# KiCad board RicardoCHEESE.kicad_pcb
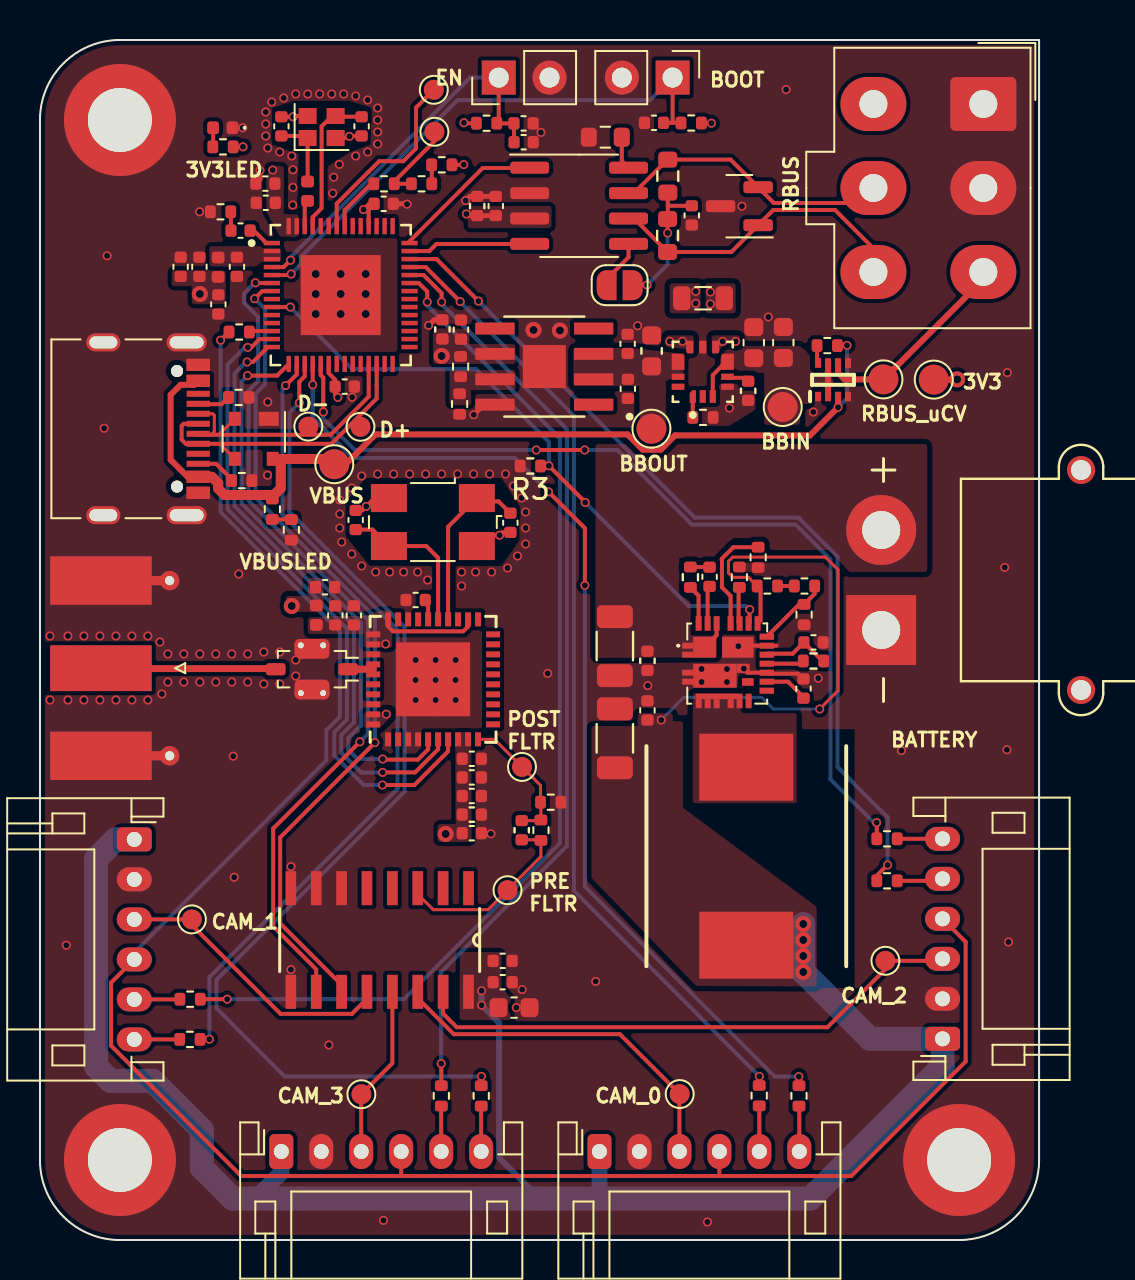
[diagram p0: board, top side]
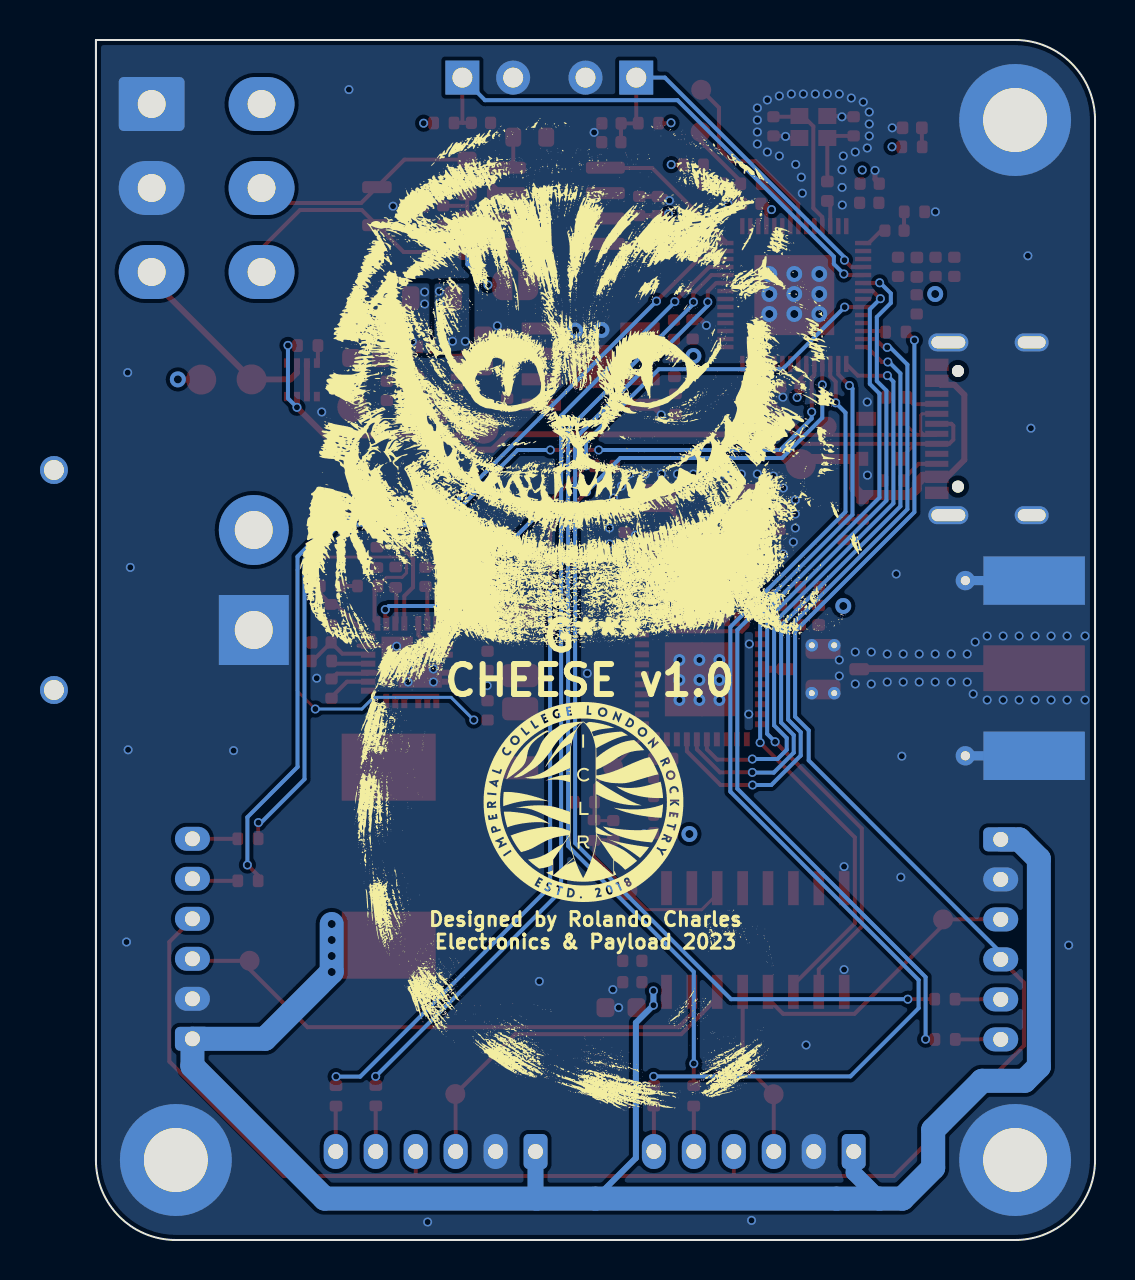
[diagram p1: board, bottom side, seen from below]

Outline 50 x 60 mm; copper layers: Top, In1.Cu (plane), In2.Cu (plane), Bottom. Coordinates in mm from the lower left corner of the outline.
Outline path: 0,56 arc(1.17,58.83) 4,60 50,60 50,4 arc(48.83,1.17) 46,0 4,0 arc(1.17,1.17) 0,4 0,56
Stack: Top 0.035mm / dielectric 0.2104mm FR4 er 4.5 / In1.Cu 0.0152mm / dielectric 1.065mm FR4 er 4.5 / In2.Cu 0.0152mm / dielectric 0.2104mm FR4 er 4.5 / Bottom 0.035mm

## Placement (name value [footprint] x y rotation side)
3V3LED1  BLUE_LED  [LED_0402_1005Metric]  9.15 55.61 180 top
BOOTJUMPER1  Conn_01x02_Male  [PinHeader_1x02_P2.54mm_Vertical]  31.66 58.12 270 top
C1  4.2pF  [C_0402_1005Metric]  10.04 50.47 0 top
C2  C  [C_0402_1005Metric]  16.09 55.68 270 top
C3  1uF  [C_0402_1005Metric]  11.28 52.82 180 top
C4  10nF  [C_0402_1005Metric]  11.3 51.86 180 top
C5  10uF  [C_0402_1005Metric]  7.04 48.66 90 top
C6  1uF  [C_0402_1005Metric]  7.98 48.66 90 top
C7  0.1uF  [C_0402_1005Metric]  8.93 46.78 270 top
C8  0.1uF  [C_0402_1005Metric]  9.86 48.66 90 top
C9  C  [C_0402_1005Metric]  12.08 55.68 90 top
C10  0.1uF  [C_0402_1005Metric]  15.25 42.67 0 top
C11  0.1uF  [C_0402_1005Metric]  17.2 51.81 0 top
C12  0.1uF  [C_0402_1005Metric]  24.2 55.83 0 top
C13  0.1uF  [C_0402_1005Metric]  30.73 55.86 0 top
C14  1uF  [C_0402_1005Metric]  24.21 54.89 180 top
C15  100nF  [C_0402_1005Metric]  22.81 51.7 90 top
C16  10uF  [C_0402_1005Metric]  21.88 51.7 90 top
C18  47nF  [C_0402_1005Metric]  32.62 51.23 270 top
C20  10uF  [C_0603_1608Metric]  37.2 44.88 90 top
C21  10uF  [C_0603_1608Metric]  35.72 44.87 90 top
C22  22uF  [C_0603_1608Metric]  30.61 44.46 90 top
C23  10uF  [C_0402_1005Metric]  29.42 42.56 270 top
C24  4.7uF  [C_0402_1005Metric]  29.41 44.81 90 top
C25  10uF  [C_0402_1005Metric]  20.14 45.53 270 top
C26  0.1uF  [C_0402_1005Metric]  21.07 45.52 270 top
C27  1uF  [C_0402_1005Metric]  35.44 42.46 270 top
C32  10n  [C_0402_1005Metric]  15.71 31.23 90 top
C33  1u  [C_0402_1005Metric]  14.78 31.23 90 top
C34  1u  [C_0402_1005Metric]  14.27 32.64 0 top
C35  1u  [C_0402_1005Metric]  18.8 32 180 top
C36  24p  [C_0402_1005Metric]  23.54 35.86 270 top
C37  10u  [C_0402_1005Metric]  21.61 21.27 0 top
C38  100n  [C_0402_1005Metric]  21.61 24.06 0 top
C39  100n  [C_0402_1005Metric]  21.61 23.13 0 top
C40  100n  [C_0402_1005Metric]  21.61 22.2 0 top
C41  100n  [C_0402_1005Metric]  21.61 20.34 0 top
C42  24p  [C_0402_1005Metric]  15.8 36 90 top
C43  10u  [C_0603_1608Metric]  23.72 11.62 0 top
C44  100n  [C_0402_1005Metric]  23.16 13.96 180 top
C45  100n  [C_0402_1005Metric]  23.16 12.89 180 top
C46  1u  [C_0402_1005Metric]  24.11 20.49 90 top
C48  47uF  [C_1206_3216Metric]  28.77 29.69 270 top
C49  100nF  [C_0402_1005Metric]  30.4 28.96 270 top
C52  47uF  [C_1206_3216Metric]  28.77 25.08 270 top
C53  100n  [C_0402_1005Metric]  33.51 33.16 90 top
C54  100n  [C_0402_1005Metric]  30.4 26.48 90 top
C55  2u2  [C_0402_1005Metric]  38.21 27.57 270 top
C56  1u  [C_0402_1005Metric]  38.71 29.88 180 top
D1  SM712_SOT23  [SOT-23]  35 51.69 180 top
D2  SP0503BAHT  [SOT-143]  10.7 40.06 270 top
ENJUMPER1  Conn_01x02_Male  [PinHeader_1x02_P2.54mm_Vertical]  22.96 58.12 90 top
FB1  120R  [L_0402_1005Metric]  13.83 31.24 90 top
FL1  BFCN-5200  [Filter_Mini-Circuits_FV1206-4]  13.61 28.54 180 top
G***  LOGO  [iclr_logo_estd2018_10mm]  25.6 21.9 180 bottom
G***#2  LOGO  [cheshire]  25.1 30.2 180 bottom
H1  MountingHole_Pad  [MountingHole_3.2mm_M3_DIN965_Pad]  4 56 0 top
H3  MountingHole_Pad  [MountingHole_3.2mm_M3_DIN965_Pad]  4 4 0 top
H4  MountingHole_Pad  [MountingHole_3.2mm_M3_DIN965_Pad]  46 4 0 top
IC1  SiC437BED-T1-GE3  [SiC437BEDT1GE3]  34.39 28.82 0 top
J1  RBUS  [Molex_Mini-Fit_Jr_5566-06A_2x03_P4.20mm_Vertical]  47.21 56.8 270 top
J2  USB_C_Receptacle_USB2.0  [USB_C_Receptacle_Palconn_UTC16-G]  5.41 40.56 270 top
J3  Conn_Coaxial  [SMA_Molex_73251-1153_EdgeMount_Horizontal]  4.77 28.59 0 top
J4  Conn_01x06_Pin  [JST_PH_S6B-PH-K_1x06_P2.00mm_Horizontal]  28 4.42 0 top
J5  Conn_01x06_Pin  [JST_PH_S6B-PH-K_1x06_P2.00mm_Horizontal]  4.72 20.03 270 top
J6  Conn_01x06_Pin  [JST_PH_S6B-PH-K_1x06_P2.00mm_Horizontal]  45.17 10.06 90 top
J7  Conn_01x06_Pin  [JST_PH_S6B-PH-K_1x06_P2.00mm_Horizontal]  12.08 4.42 0 top
J8  Conn_01x02_Male  [AMASS_XT30PW-M_1x02_P2.50mm_Horizontal]  42.1 30.5 270 top
JP1  TermJP  [SolderJumper-2_P1.3mm_Open_RoundedPad1.0x1.5mm]  29.01 47.74 0 top
L1  2.0nH  [L_0402_1005Metric]  8.92 48.64 90 top
L2  20nH  [L_0402_1005Metric]  13.39 52.44 90 top
L3  1uH  [L_0805_2012Metric]  33.19 47.09 180 top
L4  3.3uH  [INDPM110100X540N]  35.35 19.19 90 top
R1  470  [R_0402_1005Metric]  20.11 53.76 180 top
R2  470  [R_0402_1005Metric]  9.16 54.66 0 top
R3  10k  [R_0402_1005Metric]  24.54 38.7 180 top
R4  47.5  [R_0402_1005Metric]  9.04 51.41 0 top
R5  499  [R_0402_1005Metric]  17.22 52.81 180 top
R6  10K  [R_0402_1005Metric]  22.35 55.84 0 top
R7  10K  [R_0402_1005Metric]  32.59 55.85 180 top
R8  60  [R_0603_1608Metric]  31.42 53.19 270 top
R9  60  [R_0603_1608Metric]  31.41 50.22 270 top
R10  0  [R_0603_1608Metric]  28.29 55.14 180 top
R11  3000  [R_0402_1005Metric]  11.63 36.54 270 top
R12  5.1k  [R_0402_1005Metric]  9.94 42.13 0 top
R13  5.1k  [R_0402_1005Metric]  10.1 37.97 180 top
R14  10k  [R_0402_1005Metric]  39.4 44.72 180 top
R15  56k  [R_0402_1005Metric]  21.05 43.67 270 top
R16  10k  [R_0402_1005Metric]  21 41.8 270 top
R17  14k  [R_0402_1005Metric]  33.18 41.13 0 top
R18  10k  [R_0402_1005Metric]  25.56 21.89 180 top
R19  10k  [R_0402_1005Metric]  25.07 20.49 90 top
R20  51k  [R_0402_1005Metric]  35 33.14 90 top
R21  18k  [R_0402_1005Metric]  38.26 32.7 0 top
R22  56k  [R_0402_1005Metric]  36.4 32.7 0 top
R23  10k  [R_0402_1005Metric]  38.24 31.27 270 top
R24  2.2  [R_0402_1005Metric]  32.55 33.14 90 top
R25  100k  [R_0402_1005Metric]  35.94 34.13 90 top
R26  51k  [R_0402_1005Metric]  38.71 28.95 180 top
R27  1k  [R_0402_1005Metric]  9.97 45.4 0 top
R28  1k  [R_0402_1005Metric]  35.99 7.22 90 top
R29  1k  [R_0402_1005Metric]  37.98 7.21 90 top
R30  1k  [R_0402_1005Metric]  7.51 12.04 0 top
R31  1k  [R_0402_1005Metric]  7.5 10.03 0 top
R32  1k  [R_0402_1005Metric]  42.39 17.96 180 top
R33  1k  [R_0402_1005Metric]  42.39 20.06 180 top
R34  1k  [R_0402_1005Metric]  20.08 7.21 90 top
R35  1k  [R_0402_1005Metric]  22.08 7.21 90 top
TP1  TestPoint  [TestPoint_Pad_D1.0mm]  19.74 55.41 0 top
TP2  TestPoint  [TestPoint_Pad_D1.0mm]  19.71 57.51 0 top
TP3  TestPoint  [TestPoint_Pad_D1.0mm]  13.43 40.67 270 top
TP4  TestPoint  [TestPoint_Pad_D1.0mm]  16.04 40.66 270 top
TP6  TestPoint  [TestPoint_Pad_D1.5mm]  42.21 43.03 270 top
TP7  TestPoint  [TestPoint_Pad_D1.5mm]  44.73 43.02 180 top
TP8  TestPoint  [TestPoint_Pad_D1.5mm]  14.73 38.79 270 top
TP9  TestPoint  [TestPoint_Pad_D1.5mm]  30.6 40.57 270 top
TP10  TestPoint  [TestPoint_Pad_D1.5mm]  37.17 41.65 270 top
TP11  TestPoint  [TestPoint_Pad_D1.0mm]  32.01 7.3 0 top
TP12  TestPoint  [TestPoint_Pad_D1.0mm]  7.6 16.03 0 top
TP13  TestPoint  [TestPoint_Pad_D1.0mm]  42.31 13.96 0 top
TP14  TestPoint  [TestPoint_Pad_D1.0mm]  16.08 7.29 0 top
TP16  TestPoint  [TestPoint_Pad_D1.0mm]  24.12 23.65 0 top
TP17  TestPoint  [TestPoint_Pad_D1.0mm]  23.4 17.49 0 top
TXLED1  GREEN_LED  [R_0402_1005Metric]  19.1 52.81 0 top
U1  ESP32-S3  [QFN40P700X700X90-57N]  15.05 47.25 0 top
U2  SN65HVD230  [SOIC-8_3.9x4.9mm_P1.27mm]  26.98 51.71 0 top
U3  LM66200DRLR  [SOTFL50P160X60-8N]  39.69 43.01 90 top
U4  SC4215  [SOIC127P599X175-9N]  25.24 43.67 180 top
U5  MAX77827AEFD+T  [CONV_MAX77827AEFD+T]  33.17 43.41 90 top
U7  -  [RTC6705]  19.67 28.03 90 top
U8  HEF4051BT  [SOIC127P600X175-16N]  17 15 270 top
USBLED1  USB_LED  [R_0402_1005Metric]  12.58 35.51 90 top
Y1  40MHz±10ppm  [Crystal_SMD_2016-4Pin_2.0x1.6mm]  14.09 55.65 0 top
Y2  8MHz  [Crystal_SMD_0603-4Pin_6.0x3.5mm]  19.66 35.9 180 top

## Library data of the parts
3V3LED1 TXLED1 USBLED1 = -: Description: Light emitting diode, small symbol
BOOTJUMPER1 ENJUMPER1 J8 = -: Description: Generic connector, single row, 01x02, script generated (kicad-library-utils/schlib/autogen/connector/)
C1-C16 C20-C27 = -: Description: Unpolarized capacitor, small symbol
C18 C32-C46 C48 C49 C52-C56 = -: Description: Unpolarized capacitor
D1 = -: Description: 7V/12V, 600W Asymmetrical TVS Diode Array, SOT-23
D2 = -: Description: TVS Diode Array, 5.5V Standoff, 3 Channels, SOT-143 package
FB1 = -: Description: Ferrite bead
FL1 = -: Description: 4250-6300MHz 50 Ohm Passive Band Pass Filter, FV1206-4
H1 H3 H4 = -: Description: Mounting Hole with connection
IC1 = -: Description: Switching Voltage Regulators 3-28V 12A 50uA microBUCK MLP44-24; Arrow Part Number: SIC437BED-T1-GE3; Arrow Price/Stock: https://www.arrow.com/en/products/sic437bed-t1-ge3/vishay; Height: 0.8; Manufacturer_Name: Vishay; Mouser Part Number: 78-SIC437BED-T1-GE3; Mouser Price/Stock: https://www.mouser.co.uk/ProductDetail/Vishay-Siliconix/SiC437BED-T1-GE3?qs=chTDxNqvsyntp1SKlnHzGA%3D%3D
J1 = -: Description: Generic connector, single row, 01x06, script generated (kicad-library-utils/schlib/autogen/connector/)
J2 = -: Description: USB 2.0-only Type-C Receptacle connector
J3 = -: Description: coaxial connector (BNC, SMA, SMB, SMC, Cinch/RCA, LEMO, ...)
J4-J7 = -: Description: Generic connector, single row, 01x06, script generated
JP1 = -: Description: Solder Jumper, 2-pole, open
L1-L4 = -: Description: Inductor
R1-R7 R10-R17 = -: Description: Resistor, small symbol
R8 R9 R18-R35 = -: Description: Resistor
TP1-TP4 TP6-TP14 TP16 TP17 = -: Description: test point
U1 = -: Description: ESP32-S3 is a low-power MCU-based system-on-chip (SoC) that supports 2.4 GHz Wi-Fi and Bluetooth® Low Energy (Bluetooth LE). It consists of high-performance dual-core microprocessor (Xtensa® 32-bit LX7), a low power coprocessor, a Wi-Fi baseband, a Bluetooth LE baseband, RF module, and peripherals.
U2 = -: Description: CAN Bus Transceivers, 3.3V, 1Mbps, Low-Power capabilities, SOIC-8
U3 = -: Description: 1.6-V to 5.5-V, 40-m, 2.5-A, low-IQ, dual ideal diode; Arrow Price/Stock: https://www.arrow.com/en/products/lm66200drlr/texas-instruments?region=nac; Height: 0.6; Manufacturer_Name: Texas Instruments; Mouser Part Number: 595-LM66200DRLR; Mouser Price/Stock: https://www.mouser.co.uk/ProductDetail/Texas-Instruments/LM66200DRLR?qs=Rp5uXu7WBW90hnpZAkIOdQ%3D%3D
U5 = -: MANUFACTURER: Maxim Integrated; MAXIMUM_PACKAGE_HEIGHT: 0.6mm; PARTREV: B; STANDARD: Manufacturer Recommended
U8 = -: -3db Bandwidth: 70MHz; Multiplexer/Demultiplexer Circuit: 8:1; On-State Resistance (Max): 155 Ohm; Voltage - Supply, Single (V+): 3 V ~{} 15 V; category: IC; digikey description: 1 Circuit IC Switch 8:1 155 Ohm 16-SO; digikey part number: 1727-2947-1-ND; lead free: yes; library id: 8eb752b855b5e3fc; manufacturer: Nexperia USA Inc.; mouser part number: 771-HEF4051BTD-T; package: SO16; rohs: yes; temperature range high: +125°C; temperature range low: -40°C
Y1 Y2 = -: Description: Four pin crystal, GND on pins 2 and 4

## Footprints (pads in the part's own frame, mm; a bottom-side part is the same pattern mirrored in y, then rotated)
AMASS_XT30PW-M_1x02_P2.50mm_Horizontal
  round 1.4 hole 1: (-8,10) (3,10)
  rect 3.5x3.5 hole 1.9: 1(0,0)
  round 3.5 hole 1.9: 2(-5,0)
C_0402_1005Metric
  rrect 0.56x0.62 smd: 1(-0.48,0) 2(0.48,0)
C_0603_1608Metric
  rrect 0.9x0.95 smd: 1(-0.775,0) 2(0.775,0)
C_1206_3216Metric
  rrect 1.15x1.8 smd: 1(-1.475,0) 2(1.475,0)
CONV_MAX77827AEFD+T
  custom 0.635x0.31 smd: 1(-1.3,0.5) 2(-1.3,0) 3(-1.3,-0.5)
  custom 0.31x0.635 smd: 4(-0.8,-1.2) 5(-0.3,-1.2) 13(-0.3,1.3) 14(-0.8,1.3)
  custom 0.81x0.635 smd: 6(0.3,-1.2) 11(0.5,1.3)
  custom 0.635x0.36 smd: 8(1.1,-0.6) 9(1.1,0) 10(1.1,0.7)
Crystal_SMD_0603-4Pin_6.0x3.5mm
  rect 1.8x1.4 smd: 1(-2.2,-1.2) 2(2.2,-1.2) 3(2.2,1.2) 4(-2.2,1.2)
Crystal_SMD_2016-4Pin_2.0x1.6mm
  rect 0.9x0.8 smd: 1(-0.7,-0.55) 2(0.7,-0.55) 3(0.7,0.55) 4(-0.7,0.55)
Filter_Mini-Circuits_FV1206-4
  rrect 0.99x0.61 smd: 1(-1.815,0) 3(1.815,0)
  round 0.63 hole 0.3: 2(-0.56,-1.195) 2(0.56,-1.195) 4(-0.56,1.195) 4(0.56,1.195)
  rrect 1.75x0.99 smd: 2(0,-1.015) 4(0,1.015)
INDPM110100X540N
  rect 3.35x4.7 smd: 1(-4.45,0) 2(4.45,0)
JST_PH_S6B-PH-K_1x06_P2.00mm_Horizontal
  rrect 1.2x1.75 hole 0.75: 1(0,0)
  oval 1.2x1.75 hole 0.75: 2(2,0) 3(4,0) 4(6,0) 5(8,0) 6(10,0)
L_0402_1005Metric
  rrect 0.59x0.64 smd: 1(-0.485,0) 2(0.485,0)
L_0805_2012Metric
  rrect 0.875x1.2 smd: 1(-1.062,0) 2(1.062,0)
LED_0402_1005Metric
  rrect 0.59x0.64 smd: 1(-0.485,0) 2(0.485,0)
Molex_Mini-Fit_Jr_5566-06A_2x03_P4.20mm_Vertical
  rrect 2.7x3.3 hole 1.4: 1(0,0)
  oval 2.7x3.3 hole 1.4: 2(4.2,0) 3(8.4,0) 4(0,-5.5) 5(4.2,-5.5) 6(8.4,-5.5)
MountingHole_3.2mm_M3_DIN965_Pad
  round 5.6 hole 3.2: 1(0,0)
PinHeader_1x02_P2.54mm_Vertical
  rect 1.7x1.7 hole 1: 1(0,0)
  oval 1.7x1.7 hole 1: 2(0,-2.54)
QFN40P700X700X90-57N
  rrect 0.81x0.22 smd: 1(-3.445,2.6) 2(-3.445,2.2) 3(-3.445,1.8) 4(-3.445,1.4) 5(-3.445,1) 6(-3.445,0.6) 7(-3.445,0.2) 8(-3.445,-0.2) 9(-3.445,-0.6) 10(-3.445,-1) 11(-3.445,-1.4) 12(-3.445,-1.8) 13(-3.445,-2.2) 14(-3.445,-2.6) 29(3.445,-2.6) 30(3.445,-2.2) 31(3.445,-1.8) 32(3.445,-1.4) 33(3.445,-1) 34(3.445,-0.6) 35(3.445,-0.2) 36(3.445,0.2) 37(3.445,0.6) 38(3.445,1) 39(3.445,1.4) 40(3.445,1.8) 41(3.445,2.2) 42(3.445,2.6)
  rrect 0.22x0.81 smd: 15(-2.6,-3.445) 16(-2.2,-3.445) 17(-1.8,-3.445) 18(-1.4,-3.445) 19(-1,-3.445) 20(-0.6,-3.445) 21(-0.2,-3.445) 22(0.2,-3.445) 23(0.6,-3.445) 24(1,-3.445) 25(1.4,-3.445) 26(1.8,-3.445) 27(2.2,-3.445) 28(2.6,-3.445) 43(2.6,3.445) 44(2.2,3.445) 45(1.8,3.445) 46(1.4,3.445) 47(1,3.445) 48(0.6,3.445) 49(0.2,3.445) 50(-0.2,3.445) 51(-0.6,3.445) 52(-1,3.445) 53(-1.4,3.445) 54(-1.8,3.445) 55(-2.2,3.445) 56(-2.6,3.445)
  rect 4x4 smd: 57(0,0)
R_0402_1005Metric
  rrect 0.54x0.64 smd: 1(-0.51,0) 2(0.51,0)
R_0603_1608Metric
  rrect 0.8x0.95 smd: 1(-0.825,0) 2(0.825,0)
RTC6705
  rect 0.7x0.3 smd: 1(-3,2.25) 2(-3,1.75) 3(-3,1.25) 4(-3,0.75) 5(-3,0.25) 6(-3,-0.25) 7(-3,-0.75) 8(-3,-1.25) 9(-3,-1.75) 10(-3,-2.25) 21(3,-2.25) 22(3,-1.75) 23(3,-1.25) 24(3,-0.75) 25(3,-0.25) 26(3,0.25) 27(3,0.75) 28(3,1.25) 29(3,1.75) 30(3,2.25)
  rect 0.3x0.7 smd: 11(-2.25,-3) 12(-1.75,-3) 13(-1.25,-3) 14(-0.75,-3) 15(-0.25,-3) 16(0.25,-3) 17(0.75,-3) 18(1.25,-3) 19(1.75,-3) 20(2.25,-3) 31(2.25,3) 32(1.75,3) 33(1.25,3) 34(0.75,3) 35(0.25,3) 36(-0.25,3) 37(-0.75,3) 38(-1.25,3) 39(-1.75,3) 40(-2.25,3)
  rect 1.9x1.9 smd: 41(-0.9,0.9) 41(-0.9,-0.9) 41(0.9,0.9) 41(0.9,-0.9)
SiC437BEDT1GE3
  rect 0.55x0.3 smd: 1(-1.981,0.894) 2(-1.981,0.444) 3(-1.981,-0.456) 4(-1.981,-0.906)
  rect 0.3x0.45 smd: 5(-1.431,-2.006) 6(-0.981,-2.006) 7(-0.531,-2.006) 8(0.169,-2.006) 9(0.619,-2.006)
  rect 0.3x0.725 smd: 10(1.069,-1.869) 18(1.519,2.006) 19(1.069,2.006) 20(0.619,2.006) 21(0.169,2.006) 22(-0.531,2.006) 23(-0.981,2.006) 24(-1.431,2.006)
  rect 0.725x0.3 smd: 11(1.981,-1.356) 12(1.981,-0.906) 13(1.981,-0.456) 14(1.981,-0.006) 15(1.981,0.444) 16(1.981,0.894) 17(1.981,1.344)
  rect 1.575x1.05 smd: 25(0.531,0.819)
  rect 1.15x1.05 smd: 26(-1.131,0.819)
  rect 2.175x1.2 smd: 27(-0.619,-0.606)
  rect 0.58x0.38 smd: 28(1.029,-0.921)
  rect 0.65x0.455 smd: 29(0.794,-0.234)
  rect 2.35x0.275 smd: 30(-0.406,-1.644)
SMA_Molex_73251-1153_EdgeMount_Horizontal
  rect 5.08x2.29 smd: 1(-1.72,0)
  rect 5.08x2.42 smd: 2(-1.72,4.38) 2(-1.72,-4.38)
  rect 5.08x2.42 smd far side: 2(-1.72,4.38) 2(-1.72,-4.38)
  rect 0.95x0.46 smd: 2(1.27,4.38) 2(1.27,-4.38)
  rect 0.95x0.46 smd far side: 2(1.27,4.38) 2(1.27,-4.38)
  round 0.97 hole 0.46: 2(1.72,4.38) 2(1.72,-4.38)
SOIC127P599X175-9N
  rrect 1.97x0.6 smd: 1(-2.47,1.905) 2(-2.47,0.635) 3(-2.47,-0.635) 4(-2.47,-1.905) 5(2.47,-1.905) 6(2.47,-0.635) 7(2.47,0.635) 8(2.47,1.905)
  rect 2.15x2.15 smd: 9(0,0)
SOIC127P600X175-16N
  rect 1.702x0.533 smd: 1(-2.591,4.445) 2(-2.591,3.175) 3(-2.591,1.905) 4(-2.591,0.635) 5(-2.591,-0.635) 6(-2.591,-1.905) 7(-2.591,-3.175) 8(-2.591,-4.445) 9(2.591,-4.445) 10(2.591,-3.175) 11(2.591,-1.905) 12(2.591,-0.635) 13(2.591,0.635) 14(2.591,1.905) 15(2.591,3.175) 16(2.591,4.445)
SOIC-8_3.9x4.9mm_P1.27mm
  rrect 1.95x0.6 smd: 1(-2.475,1.905) 2(-2.475,0.635) 3(-2.475,-0.635) 4(-2.475,-1.905) 5(2.475,-1.905) 6(2.475,-0.635) 7(2.475,0.635) 8(2.475,1.905)
SolderJumper-2_P1.3mm_Open_RoundedPad1.0x1.5mm
  custom 1x1.5 smd: 1(-0.65,0) 2(0.65,0)
SOT-23
  rrect 1.475x0.6 smd: 1(-0.938,0.95) 2(-0.938,-0.95) 3(0.938,0)
SOT-143
  rect 0.7x1 smd: 1(-1,0.75)
  rect 0.7x0.6 smd: 2(-1,-0.95) 3(1,-0.95) 4(1,0.95)
SOTFL50P160X60-8N
  rect 0.475x0.3 smd: 1(-0.838,0.75) 2(-0.838,0.25) 3(-0.838,-0.25) 4(-0.838,-0.75) 5(0.838,-0.75) 6(0.838,-0.25) 7(0.838,0.25) 8(0.838,0.75)
TestPoint_Pad_D1.0mm
  round 1 smd: 1(0,0)
TestPoint_Pad_D1.5mm
  round 1.5 smd: 1(0,0)
USB_C_Receptacle_Palconn_UTC16-G
  round 0.6 hole 0.6 unplated: (-2.89,1.45) (2.89,1.45)
  rect 0.6x1.16 smd: A1(-3.2,2.51) A4(-2.4,2.51) A9(2.4,2.51) A12(3.2,2.51) B1(3.2,2.51) B4(2.4,2.51) B9(-2.4,2.51) B12(-3.2,2.51)
  rect 0.3x1.16 smd: A5(-1.25,2.51) A6(-0.25,2.51) A7(0.25,2.51) A8(1.25,2.51) B5(1.75,2.51) B6(0.75,2.51) B7(-0.75,2.51) B8(-1.75,2.51)
  oval 0.9x2 hole 0.6x1.7: S1(-4.32,1.93) S1(4.32,1.93)
  oval 0.9x1.7 hole 0.6x1.4: S1(-4.32,-2.24) S1(4.32,-2.24)

## Nets
5V_PWR: C43.1 C44.2 C45.2 C52.2 C54.1 IC1.18 J4.1 J5.1 J6.1 J7.1 L4.1 R22.1 U8.16
+3.3V: C3.1 C4.1 C5.1 C6.1 C7.1 C10.1 C11.1 C15.1 C16.1 C25.2 C26.2 C34.1 C37.1 C38.1 C39.1 C40.1 C41.1 FB1.2 L1.1 R1.1 R2.2 R6.1 R7.1 R15.1 TP7.1 U1.20 U1.46 U1.55 U1.56 U2.3 U4.6 U7.8 U7.9
+3.3VA: C32.1 C33.1 FB1.1 U7.22 U7.30 U7.31 U7.32 U7.39 U7.40
+12V: J1.4
GND: 3V3LED1.1 BOOTJUMPER1.2 C2.2 C3.2 C4.2 C5.2 C6.2 C7.2 C8.1 C9.2 C10.2 C11.2 C12.2 C13.1 C14.1 C15.2 C16.2 C18.2 C20.2 C21.2 C22.2 C23.2 C24.2 C25.1 C26.1 C27.2 C32.2 C33.2 C34.2 C35.2 C36.2 C37.2 C38.2 C39.2 C40.2 C41.2 C42.2 C43.2 C44.1 C45.1 C48.2 C49.2 C52.1 C54.2 C55.1 C56.1 D1.3 D2.1 ENJUMPER1.2 FL1.2 FL1.4 H1.1 H3.1 H4.1 IC1.3 IC1.4 IC1.13 IC1.16 IC1.25 IC1.27 IC1.29 J1.1 J1.2 J2.A1 J2.A12 J2.B1 J2.B12 J2.S1 J3.2 J4.2 J5.2 J6.2 J7.2 J8.1 R3.2 R4.1 R10.2 R12.2 R13.1 R16.2 R17.2 R18.1 R20.2 R23.2 R25.1 U1.57 U2.2 U3.1 U3.4 U3.5 U4.8 U4.9 U5.4 U5.9 U7.1 U7.3 U7.4 U7.28 U7.33 U7.38 U7.41 U8.6 U8.7 U8.8 U8.9 USBLED1.1 Y1.2 Y1.4 Y2.2 Y2.4
VBUS: D2.4 J2.A4 J2.A9 J2.B4 J2.B9 R11.1 R14.1 TP8.1 U3.3
/BOOT: BOOTJUMPER1.1 C13.2 R7.2 U1.5
/Camera System/CAMERA0: J4.3 TP11.1 U8.14
/Camera System/CAMERA1: J5.3 TP12.1 U8.12
/Camera System/CAMERA2: J6.3 TP13.1 U8.15
/Camera System/CAMERA3: J7.3 TP14.1 U8.13
/Camera System/VIDEO_IN: C46.2 R18.2 R19.2 TP16.1 U7.10
/CAN+: D1.2 J1.5 R8.1 U2.7
/CAN-: D1.1 J1.6 R9.2 U2.6
/CAN-BUS/Vref: JP1.1 U2.5
/CAN_RX: U1.41 U2.4
/CAN_TX: U1.42 U2.1
/CHIP_PU: C12.1 C14.2 ENJUMPER1.1 R6.2 U1.4
/Data+: D2.3 J2.A6 J2.B6 TP4.1 U1.26
/Data-: D2.2 J2.A7 J2.B7 TP3.1 U1.25
/Power/BBIN: C20.1 C21.1 TP10.1 U3.2 U3.7 U5.3 U5.6
/Power/BBOUT: C22.1 C23.1 C24.1 TP9.1 U4.2 U4.3 U5.11 U5.13
/Power/BIAS: C27.1 U5.5
/Power/FBIn: R15.2 R16.1 U4.7
/Power/LX1: L3.1 U5.8
/Power/LX2: L3.2 U5.10
/Power/SEL: R17.1 U5.1
/RXD: TP2.1 U1.50
/TXD: R5.1 TP1.1 TXLED1.1
CAMERA0_TRIG: R28.2 U1.39
CAMERA1_TRIG: R30.2 U1.37
CAMERA2_TRIG: R32.2 U1.40
CAMERA3_TRIG: R34.2 U1.38
CAMERA_PWR_DET: R27.2 U1.12
CS0: U1.15 U7.5
CS1: U1.14 U7.6
CS2: U1.13 U7.7
PHOTO0_TRIG: R29.2 U1.18
PHOTO1_TRIG: R31.2 U1.16
PHOTO2_TRIG: R33.2 U1.19
PHOTO3_TRIG: R35.2 U1.17
PWR_EN: IC1.19 R3.1 U1.9
PWR_GOOD: U1.10
RBUS_uC_V: J1.3 TP6.1 U3.6
SEL1: U1.7 U8.11
SEL2: U1.6 U8.10
Net-(3V3LED1-A): 3V3LED1.2 R2.1
Net-(C1-Pad1): C1.1 R4.2
Net-(C8-Pad2): C8.2 L1.2 U1.2 U1.3
Net-(C9-Pad1): C9.1 L2.2 Y1.1
Net-(C53-Pad2): C53.2 R24.2
Net-(FL1-IN): FL1.1 U7.34 U7.35
Net-(FL1-OUT): FL1.3 J3.1
Net-(IC1-_MODE_1): IC1.21 R25.2
Net-(IC1-BOOT): C53.1 IC1.23
Net-(IC1-FB): IC1.17 R21.2 R23.1
Net-(IC1-MODE_2): IC1.20 R20.1
Net-(IC1-P_GOOD): IC1.14 R26.2
Net-(IC1-PHASE): IC1.24 R24.1
Net-(IC1-SW_1): IC1.5 IC1.6 IC1.7 IC1.8 IC1.9 IC1.30 L4.2
Net-(IC1-V_DRV): C55.2 IC1.12
Net-(IC1-VDD): C56.2 IC1.15 R26.1
Net-(IC1-VIN_1): C48.1 C49.1 IC1.1 IC1.2 IC1.22 IC1.26 J8.2
Net-(J2-CC1): J2.A5 R12.1
Net-(J2-CC2): J2.B5 R13.2
Net-(J4-Pin_4): J4.4 J5.4 J6.4 J7.4 R27.1
Net-(J4-Pin_5): J4.5 R28.1
Net-(J4-Pin_6): J4.6 R29.1
Net-(J5-Pin_5): J5.5 R30.1
Net-(J5-Pin_6): J5.6 R31.1
Net-(J6-Pin_5): J6.5 R32.1
Net-(J6-Pin_6): J6.6 R33.1
Net-(J7-Pin_5): J7.5 R34.1
Net-(J7-Pin_6): J7.6 R35.1
Net-(JP1-B): C18.1 JP1.2 R8.2 R9.1
Net-(R21-Pad1): R21.1 R22.2
Net-(TXLED1-A): R1.2 TXLED1.2
Net-(U1-LNA_IN/RF): C1.2 U1.1
Net-(U1-U0TXD/PROG/GPIO43): R5.2 U1.49
Net-(U1-XTAL_N): C2.1 U1.53 Y1.3
Net-(U1-XTAL_P): L2.1 U1.54
Net-(U2-Rs): R10.1 U2.8
Net-(U3-ST): R14.2 U3.8
Net-(U7-REG1D8): C35.1 U7.26
Net-(U7-XTAL1): C36.1 U7.24 Y2.1
Net-(U7-XTAL2): C42.1 U7.25 Y2.3
Net-(U8-Z): C46.1 R19.1 TP17.1 U8.3
Net-(USBLED1-A): R11.2 USBLED1.2

Pads without a net: IC1 10 11 28; J2 A8 B8; U1 8 11 21 22 23 24 27 28 29 30 31 32 33 34 35 36 43 44 45 47 48 51 52; U4 1 4 5; U5 2 14; U7 2 11 12 13 14 15 16 17 18 19 20 21 23 27 29 36 37; U8 1 2 4 5

## Via types
v1: diameter 0.45, hole 0.3, Top to Bottom, 207 vias
v2: diameter 0.6, hole 0.3, Top to Bottom, 9 vias
v3: diameter 0.8, hole 0.4, Top to Bottom, 20 vias

## Routing (per net, layer and track width the routed paths; a pad name or vN(x,y) marks a point on that pad's centre or on a via; arc(x,y) is an arc through that point)
5V_PWR: length 116.7
  Top w0.15: v1(39.02,26.55) 39.94,27.47 39.94,33.51 39.31,34.14 34.67,34.14 34.46,33.93 34.46,33.36 34.68,33.13 35.46,33.13 R22.1
  Top w0.2: R22.1 36.06,32.53 36.06,30.97 IC1.18
  Bottom w0.15: v1(39.02,26.55) 36.69,26.55 36.11,27.13 32.22,27.13 v1(31.09,26)
  Bottom w0.3: 25.01,2.07 22.98,4.1 22.98,10.86 v1(22.1,11.74) v1(22.1,12.46)
  Bottom w0.8: J4.1 28,2.12 27.95,2.07 ; J7.1 12.08,3.37 10.78,2.07
  Bottom w1.2: J5.1 3.79,20.03 2.81,19.05 2.81,8.67 3.52,7.96 5.65,7.96 8.1,5.51 8.1,3.61 9.64,2.07 38.55,2.07 45.17,8.69 J6.1 41.54,10.06 v3(38.2,13.4) v3(38.2,15.8)
  vias: v3(38.2,15) v3(38.2,14.2)
+3.3V: length 9.3
  Top w0.2: R7.1 33.11,55.84 v1(33.6,55.84) ; v1(21.22,55.86) 21.24,55.84 R6.1 ; v1(14.91,42.13) 14.77,42.27 C10.1 14.77,43.02 14.45,43.34 U1.20 ; v1(21.21,53.77) 21.2,53.76 R1.1 ; C11.1 16.48,51.81 v1(16.19,51.52) 16.43,51.52 C11.1 ; C11.1 16.45,51.54 U1.46 ; v1(10.16,54.66) 10.16,54.66 R2.2
  Top w0.25: v1(21.34,51.3) 21.42,51.22 C15.1
  Top w0.3: TP7.1 45.89,43.02 v3(45.9,43.03)
  vias: v1(11.65,53.5) v3(8,47.3) v3(12.6,31.7) v3(20.1,44.2) v3(20.3,20.3)
+3.3VA: length 4.9
  Top w0.2: U7.30 17.42,30.68 17.67,30.43 21.18,30.43 21.42,30.67 U7.22
  vias: v1(17.3,29.8) v1(17.33,26.29)
GND: length 17.5
  Top w0.2: Y2.4 22.41,35.24 v1(23,35.24) 23.14,35.38 C36.2 ; C9.2 12.66,56.16 v1(12.67,56.16) 12.71,56.2 Y1.4 ; C2.2 15.51,55.2 v1(15.49,55.18) 15.41,55.1 Y1.2 ; 36.87,29.72 IC1.16 35,29.72 IC1.25 ; Y2.2 16.75,37.1 v1(16.33,36.68) 16.13,36.48 C42.2 ; 18.42,29.28 18.5,29.21 18.5,29 18.71,29 U7.41 ; C55.1 37.94,28.32 36.43,28.32 IC1.13 35.41,28.37 IC1.29
  Top w0.25: C25.1 19.73,46.01 v1(19.45,45.73) ; U4.8 22.22,41.77 v1(21.71,41.26) ; v1(11.01,53.48) 11.01,53.03 C3.2 ; C11.2 18.35,51.81 v1(18.37,51.79) ; v1(21.3,51.97) 21.51,52.18 C15.2
  vias: v1(0.5,30.2) v1(0.5,27) v1(1.32,14.74) v1(1.4,30.2) v1(1.4,27) v1(2.2,30.2) v1(2.2,27) v1(3,30.2) v1(3,27) v1(3.21,40.59) v1(3.36,49.21) v1(3.8,30.2) v1(3.8,27) v1(4.6,30.2) v1(4.6,27) v1(5.4,30.2) v1(5.4,27) v1(6,29.9) v1(6.1,27.3) v1(6.4,29.3) v1(6.4,27.9) v1(7.2,29.3) v1(7.2,27.9) v1(7.99,51.41) v1(8,29.3) v1(8,27.9) v1(8.8,29.3) v1(8.8,27.9) v1(9.6,29.3) v1(9.6,27.9) v1(9.67,24.19) v1(9.72,18.14) v1(9.95,33.3) v1(10.15,55.61) v1(10.4,29.3) v1(10.4,27.9) v1(11.2,29.4) v1(11.2,27.8) v1(11.3,56.4) v1(11.3,55.8) v1(11.3,55.2) v1(11.4,54.6) v1(11.4,41.9) v1(11.39,38.24) v1(11.6,56.9) v1(12,54.4) v1(12,29.4) v1(12,27.8) v1(12.2,57.1) v1(12.6,54.2) v1(12.56,18.67) v1(12.56,13.52) v1(12.66,53.51) v1(12.66,52.63) v1(12.65,51.75) v1(12.8,57.3) v1(12.8,29) v1(12.8,28.2) v1(13.4,57.3) v1(14,57.3) v1(14.46,9.75) v1(14.6,57.3) v1(14.7,53.14) v1(14.65,52.34) v1(14.98,53.78) v1(15,37) v1(15,36.3) v1(15,35.6) v1(15.1,34.9) v1(15.2,57.3) v1(15.62,42.14) v1(15.6,37.6) v1(15.6,34.3) v1(15.8,57.2) v1(15.8,54.2) v1(16.1,38.2) v1(16.1,33.7) v1(16.4,57) v1(16.4,54.4) v1(16.8,33.4) v1(16.9,56.6) v1(16.9,56) v1(16.9,55.4) v1(16.9,54.8) v1(16.9,38.3) v1(17.19,0.98) v1(17.5,33.4) v1(17.7,38.3) v1(18.2,33.4) v1(18.5,38.3) v1(18.9,33.4) v1(19.3,38.3) v1(19.4,33) v1(20.1,38.3) v1(20.9,38.3) v1(21.1,33.4) v1(21.1,32.7) v1(21.7,38.3) v1(21.8,33.4) v1(22.5,38.3) v1(22.6,33.4) v1(22.57,20.31) v1(23.3,38.3) v1(23.4,33.6) v1(23.7,37.7) v1(23.84,11.62) v1(23.9,34.2) v1(24.1,37.1) v1(24.13,12.52) v1(24.3,36.4) v1(24.3,35.6) v1(24.3,34.8) v1(25.07,55.38) v1(25.41,28.33) v1(27.81,12.93) v1(29.91,45.71) v1(30.42,27.72) v1(33.11,28.55) v1(33.11,27.9) v1(33.4,0.9) v1(34.38,28.55) v1(34.38,27.9) v1(34.5,41.6) v1(34.95,29.69) v1(35.13,51.69) v1(35.23,28.57) v1(36.45,46.15) v1(37.34,57.52) v1(38.7,41.4) v1(38.95,28.09) v1(43.11,24.47) v1(48.28,33.63) v1(48.41,43.37) v1(48.39,24.51) v1(48.47,14.9) v2(18.8,29) v2(18.8,28) v2(18.8,27) v2(19.8,29) v2(19.8,28) v2(19.8,27) v2(20.8,29) v2(20.8,28) v2(20.8,27) v3(13.8,48.3) v3(13.8,47.3) v3(13.8,46.3) v3(15.05,48.3) v3(15.05,47.3) v3(15.05,46.3) v3(16.3,48.3) v3(16.3,47.3) v3(16.3,46.3) v3(24.7,45.5) v3(26.02,45.47)
VBUS: length 47
  Top w0.2: R14.1 40.38,44.72 v1(40.39,44.73)
  Top w0.3: U3.3 v1(39.94,41.63) 38.54,40.23 31.78,40.23 31.07,39.52 30.17,39.52 29.4,40.28 16.79,40.28 15.3,38.79 TP8.1 ; J2.A9 7.39,38.16 6.54,39.01 6.54,42.26 7.04,42.76 7.72,42.76 J2.A4
  Top w0.5: J2.A9 8.6,38.16 8.92,37.84 8.92,37.56 9.23,37.25 11.71,37.25 12.05,37.59 12.05,39.05 14.47,39.05 TP8.1
  Bottom w0.2: v1(40.39,44.73) 40.39,42.08 v1(39.94,41.63)
/BOOT: length 27.5
  Top w0.2: R7.2 32.07,55.86 31.62,55.86 ; 31.62,55.86 31.66,55.9 BOOTJUMPER1.1 ; 31.62,55.86 C13.2 ; v1(12.57,48.3) 12.52,48.25 U1.5
  Bottom w0.2: BOOTJUMPER1.1 30.53,56.99 20.89,56.99 13.07,49.17 13.07,48.8 v1(12.57,48.3)
/Camera System/CAMERA0: length 18.3
  Top w0.2: J4.3 32,7.28 TP11.1 29.02,10.29 20.71,10.29 18.91,12.09 U8.14
/Camera System/CAMERA1: length 14.4
  Top w0.2: U8.12 16.37,12.06 15.61,11.31 12.04,11.31 7.6,15.74 TP12.1 J5.3
/Camera System/CAMERA2: length 28
  Top w0.2: J6.3 45.07,13.96 TP13.1 42.31,13.54 39.41,10.64 20.85,10.64 20.18,11.32 U8.15
/Camera System/CAMERA3: length 8.6
  Top w0.2: U8.13 17.63,8.84 TP14.1 16.08,7.28 J7.3
/Camera System/VIDEO_IN: length 6.8
  Top w0.15: C46.2 25.04,20.97 R19.2 25.07,21.87 R18.2 25.05,22.73 24.13,23.65 TP16.1 22.74,25.03 U7.10
/CAN+: length 14.2
  Top w0.2: 29.46,52.34 29.73,52.34 31.4,54.02 R8.1 34.56,54.02 35.94,52.64 D1.2 36.73,51.85 40.96,51.85 J1.5
/CAN-: length 15.8
  Top w0.2: J1.6 41.71,49.58 39.79,51.5 36.7,51.5 D1.1 34.6,49.4 R9.2 29.74,51.08 29.46,51.08
/CAN-BUS/Vref: length 2.5
  Top w0.2: 29.46,49.81 29.46,49.14 28.36,48.04 JP1.1
/CAN_RX: length 6.2
  Top w0.2: U1.41 19.49,49.45 19.84,49.8 24.5,49.8 U2.4
/CAN_TX: length 7.6
  Top w0.2: U1.42 18.5,49.94 22.16,53.6 24.49,53.6 U2.1
/CHIP_PU: length 19.5
  Top w0.2: v1(12.54,48.99) 12.2,48.65 U1.4 ; 23.72,54.89 23.72,55.83 C12.1 22.87,55.83 R6.2 22.96,55.94 ENJUMPER1.1
  Bottom w0.2: v1(12.54,48.99) 12.54,49.13 21.53,58.12 ENJUMPER1.1
/Data+: length 15.1
  Top w0.15: 9.03,39.81 9.03,39.78 D2.3
  Top w0.2: U1.26 16.85,42.74 16.85,42.07 14.59,39.81 J2.B6 7.3,39.81 7.09,40.02 7.09,40.71 7.19,40.81 J2.A6
/Data-: length 14
  Top w0.15: 8.56,40.26 8.72,40.42 8.72,41.23 8.65,41.31 J2.B7 ; 8.94,40.26 8.95,40.26 D2.2
  Top w0.2: U1.25 16.45,42.17 14.55,40.27 14.25,40.27 14.25,40.26 7.97,40.26 J2.A7
/Power/BBIN: length 3.7
  Top w0.2: U5.6 34.13,43.71 33.67,43.25 U5.3
  Top w0.3: U3.7 U3.2
/Power/BIAS: length 1.1
  Top w0.2: C27.1 35.27,43.11 U5.5
/Power/LX1:
  vias: v1(33.55,47.4) v1(33.55,46.8) v1(34.16,44.93) v1(34.81,44.93)
/Power/LX2:
  vias: v1(31.51,44.93) v1(32.16,44.94) v1(32.81,47.43) v1(32.81,46.83)
/Power/SEL: length 1
  Top w0.2: U5.1 R17.1
/RXD: length 9.5
  Top w0.2: U1.50 14.85,51.82 16.41,53.38 16.42,53.38 16.98,53.94 18.18,53.94 18.82,54.58 18.82,56.62 TP2.1
/TXD: length 4.3
  Top w0.2: TP1.1 19.74,54.94 17.73,52.93 R5.1 TXLED1.1
CAMERA0_TRIG: length 48.6
  Top w0.2: R28.2 35.99,8.17 v1(36,8.18) ; U1.39 19.3,48.65 v1(21.03,46.92)
  Bottom w0.2: v1(21.03,46.92) 21.03,46.9 26.72,41.21 26.72,17.46 v1(36,8.18)
CAMERA1_TRIG: length 52.6
  Top w0.2: U1.37 18.96,47.85 19.38,47.43 v1(19.38,46.9) ; v1(9.37,12.04) R30.2
  Bottom w0.2: v1(19.38,46.9) 19.38,46.72 26.02,40.08 26.02,19.84 18.22,12.04 v1(9.37,12.04)
CAMERA2_TRIG: length 45.1
  Top w0.2: R32.2 41.88,18.22 42.41,18.75 v1(42.42,18.75) ; v1(21.94,46.94) 19.84,49.05 U1.40
  Bottom w0.2: v1(21.94,46.94) 32.77,36.12 37.96,36.12 39.91,34.17 39.91,23.65 42.42,21.14 v1(42.42,18.75)
CAMERA3_TRIG: length 46.8
  Top w0.2: v1(20.08,8.82) 20.08,8.82 R34.2 ; U1.38 19.2,48.25 20.1,47.34 v1(20.1,46.9)
  Bottom w0.2: v1(20.1,46.9) 20.1,46.8 26.37,40.53 26.37,19.7 20.08,13.41 v1(20.08,8.82)
CAMERA_PWR_DET: length 1.1
  Top w0.2: U1.12 10.53,45.45 R27.2
CS0: length 28.8
  Top w0.2: U7.5 19.42,24.53 18.91,24.02 17.18,24.02 v1(17.15,24.05) ; U1.15 11.87,43.22 v1(10.39,43.22)
  Bottom w0.2: v1(10.39,43.22) 10.09,42.92 10.09,36.83 16.06,30.86 16.06,25.73 15.43,25.1 15.43,24.51 15.89,24.05 v1(17.15,24.05)
CS1: length 30.3
  Top w0.2: U1.14 11.41,44.65 10.66,43.9 v1(10.37,43.9) ; v1(17.15,23.38) 18.77,23.38 19.92,24.53 U7.6
  Bottom w0.2: v1(10.37,43.9) 10.31,43.9 9.74,43.33 9.74,36.69 15.71,30.72 15.71,25.87 15.08,25.24 15.08,24.37 16.08,23.37 17.14,23.37 v1(17.15,23.38)
CS2: length 32.6
  Top w0.2: v1(17.14,22.75) 18.74,22.75 20.42,24.43 U7.7 ; v1(10.4,44.63) 10.57,44.63 10.99,45.05 U1.13
  Bottom w0.2: v1(10.4,44.63) 10.25,44.63 9.39,43.77 9.39,36.54 15.36,30.57 15.36,26.02 14.73,25.39 14.73,24.22 16.2,22.75 v1(17.14,22.75)
PHOTO0_TRIG: length 51.6
  Top w0.2: v1(27.27,32.73) 27.27,35.59 v1(25.45,37.41) ; v1(13.65,42.76) U1.18 ; R29.2 37.98,8.17 v1(37.98,8.17)
  Bottom w0.2: v1(25.45,37.41) 23.76,39.1 15.66,39.1 13.65,41.11 v1(13.65,42.76) ; v1(27.27,32.73) 27.27,17.67 36.77,8.17 v1(37.98,8.17)
PHOTO1_TRIG: length 40.8
  Top w0.2: R31.2 8.47,10.03 v1(8.48,10.04) ; v1(12.29,42.72) 12.85,43.28 U1.16
  Bottom w0.2: v1(12.29,42.72) 12.14,42.57 12.14,36.27 17.9,30.51 17.9,22.56 8.48,13.14 v1(8.48,10.04)
PHOTO2_TRIG: length 46.1
  Top w0.2: v1(41.87,20.87) 41.88,20.86 R33.2 ; U1.19 14.05,43.24 14.18,43.12 v1(14.18,41.4) ; v1(27.26,39.5) v1(24.84,39.5)
  Bottom w0.2: v1(24.84,39.5) 15.75,39.5 14.18,41.07 v1(14.18,41.4) ; v1(27.26,39.5) 28.9,39.5 32.63,35.77 37.82,35.77 39.56,34.03 39.56,23.04 41.73,20.87 v1(41.87,20.87)
PHOTO3_TRIG: length 54
  Top w0.2: v1(12.98,41.86) 12.98,42.92 13.25,43.19 U1.17 ; v1(22.09,8.18) 22.08,8.17 R35.2
  Bottom w0.2: v1(12.98,41.86) 12.49,41.37 12.49,36.41 18.25,30.65 18.25,22.42 8.83,13 8.83,11.59 12.24,8.18 v1(22.09,8.18)
PWR_EN: length 32
  Top w0.2: v1(12.53,46.65) U1.9 ; R3.1 25.06,38.71 v1(25.47,38.71) 27.28,36.89 v1(27.28,36.88) ; IC1.19 35.51,30.88 35.51,31.51 v1(35.52,31.52)
  Bottom w0.2: v1(12.53,46.65) 15.64,43.54 21.83,43.54 25.47,39.9 v1(25.47,38.71) ; v1(35.52,31.52) 35.34,31.7 32.46,31.7 v1(27.28,36.88)
RBUS_uC_V: length 10.3
  Top w0.3: U3.6 39.94,43.36 40.27,43.03 TP6.1 47.21,48.03 J1.3
SEL1: length 41.8
  Top w0.2: U1.7 11.12,47.45 v1(10.74,47.06) ; U8.11 15.09,12.76 12.02,15.83 12.02,20.13 v1(16.76,24.87)
  Bottom w0.2: v1(10.74,47.06) 11.27,46.54 11.27,42.81 10.79,42.33 10.79,37.12 16.76,31.15 v1(16.76,24.87)
SEL2: length 42.3
  Top w0.2: v1(16.01,24.91) 11.67,20.57 11.67,15.69 13.82,13.53 U8.10 ; U1.6 10.79,47.85 v1(10.78,47.86)
  Bottom w0.2: v1(16.01,24.91) 16.41,25.31 16.41,31.01 10.44,36.98 10.44,42.47 10.92,42.95 10.92,46.15 10.22,46.85 10.22,47.33 10.75,47.86 v1(10.78,47.86)
Net-(3V3LED1-A): length 1
  Top w0.2: R2.1 8.67,54.67 3V3LED1.2
Net-(C1-Pad1): length 0.9
  Top w0.2: R4.2 9.56,51.4 C1.1
Net-(C9-Pad1): length 3.5
  Top w0.2: C9.1 13.29,55.2 Y1.1 L2.2
Net-(C53-Pad2): length 1
  Top w0.2: C53.2 33.5,33.65 R24.2
Net-(FL1-IN): length 1.3
  Top w0.349: FL1.1 16.68,28.54
Net-(FL1-OUT): length 8.8
  Top w0.349: J3.1 3.07,28.57 11.77,28.57 FL1.3
Net-(IC1-_MODE_1): length 5.5
  Top w0.2: R25.2 34.7,34.64 34.12,34.06 34.12,34 34.13,33.99 34.13,32.64 34.56,32.2 IC1.21
Net-(IC1-BOOT): length 1.9
  Top w0.2: C53.1 33.41,32.58 IC1.23
Net-(IC1-FB): length 3.7
  Top w0.2: R21.2 38.77,32.31 R23.1 37.99,31.78 IC1.17
Net-(IC1-MODE_2): length 1.8
  Top w0.2: R20.1 34.96,32.59 34.96,30.88 IC1.20
Net-(IC1-P_GOOD): length 1.9
  Top w0.2: R26.2 38.07,28.82 IC1.14
Net-(IC1-PHASE): length 2
  Top w0.2: IC1.24 32.96,30.83 32.96,32.22 R24.1
Net-(IC1-V_DRV): length 2.2
  Top w0.2: IC1.12 37.43,27.92 38.21,27.14 C55.2
Net-(IC1-VDD): length 3.5
  Top w0.2: IC1.15 36.43,29.32 37.67,29.32 C56.2 39.16,28.95 R26.1
Net-(IC1-VIN_1): length 1.4
  Top w0.2: IC1.22 33.86,30.24 IC1.26
Net-(J2-CC1): length 1.7
  Top w0.2: J2.A5 7.94,41.79 9.09,41.79 R12.1
Net-(J2-CC2): length 2.1
  Top w0.2: R13.2 9.59,38.04 8.82,38.81 J2.B5
Net-(J4-Pin_4): length 101
  Top w0.2: J7.4 18.08,3.2 18.08,3.2 ; 18.08,3.2 10.07,3.2 3.56,9.71 3.56,12.87 J5.4 ; 18.08,3.2 34.01,3.2 ; 34.01,3.2 40.6,3.2 46.32,8.92 46.32,14.91 J6.4 ; 34.01,3.2 34,3.21 J4.4 ; v1(9.04,44.99) 9.45,45.4 R27.1
  Bottom w0.2: J5.4 4.72,14.37 14.33,23.98 14.33,25.48 15.01,26.16 15.01,30.43 9.04,36.4 v1(9.04,44.99)
Net-(J4-Pin_5): length 2.3
  Top w0.2: R28.1 36,6.7 J4.5
Net-(J4-Pin_6): length 2.3
  Top w0.2: J4.6 38,6.68 R29.1
Net-(J5-Pin_5): length 2.3
  Top w0.2: R30.1 6.99,12.03 J5.5
Net-(J5-Pin_6): length 2.3
  Top w0.2: J5.6 R31.1
Net-(J6-Pin_5): length 2.3
  Top w0.2: J6.5 45.07,17.96 R32.1
Net-(J6-Pin_6): length 2.3
  Top w0.2: R33.1 J6.6
Net-(J7-Pin_5): length 2.3
  Top w0.2: J7.5 20.08,6.69 R34.1
Net-(J7-Pin_6): length 2.3
  Top w0.2: J7.6 22.08,6.69 R35.1
Net-(JP1-B): length 7
  Top w0.2: v1(30.38,47.75) 30.37,47.74 JP1.2 ; C18.1 31.42,51.71 ; 31.42,51.71 R8.2 ; 31.42,51.71 31.42,51.06 R9.1 v1(31.41,50.35)
  Bottom w0.2: v1(31.41,50.35) 31.41,48.78 v1(30.38,47.75)
Net-(R21-Pad1): length 0.8
  Top w0.2: R22.2 R21.1
Net-(TXLED1-A): length 1
  Top w0.2: R1.2 19.61,53.75 TXLED1.2
Net-(U1-LNA_IN/RF): length 1.3
  Top w0.2: C1.2 10.7,50.47 11.33,49.85 U1.1
Net-(U1-U0TXD/PROG/GPIO43): length 2.8
  Top w0.2: R5.2 16.57,52.81 15.25,51.49 U1.49
Net-(U1-XTAL_N): length 7.4
  Top w0.2: C2.1 14.83,56.16 Y1.3 14.61,56.2 14.09,55.68 14.09,51.59 13.65,51.15 U1.53
Net-(U1-XTAL_P): length 1.3
  Top w0.2: U1.54 13.25,51.81 L2.1
Net-(U2-Rs): length 1.7
  Top w0.2: 29.46,53.61 29.12,53.95 29.12,55.14
Net-(U3-ST): length 0.9
  Top w0.2: U3.8 38.89,43.9 R14.2
Net-(U7-REG1D8): length 1
  Top w0.2: U7.26 19.42,31.86 C35.1
Net-(U7-XTAL1): length 8.7
  Top w0.2: U7.24 20.42,35.66 Y2.1 22.03,36.93 22.95,36.93 C36.1
Net-(U7-XTAL2): length 7.8
  Top w0.2: U7.25 19.92,34.11 19.33,34.7 Y2.3 16.64,35.52 C42.1
Net-(U8-Z): length 9.7
  Top w0.15: U8.3 18.91,17.29 19.68,16.51 22.42,16.51 TP17.1 23.4,17.5 25.07,19.17 R19.1 25.04,20.01 C46.1
Net-(USBLED1-A): length 1
  Top w0.2: USBLED1.2 12.57,36.03 R11.2

## Copper pours and planes (outline as drawn; the poured copper is in the pictures)
5V_PWR on Top: 21.02,14.4 21,11 22.74,10.99 23.56,10.99 23.56,12.11 23.1,12.62 23.1,14.4
5V_PWR on Top: 27.6,25.7 29.9,25.7 29.9,26.34 32.18,26.34 32.18,21.61 38.87,16.66 38.88,12.68 32.84,12.7 27.6,18.1
+3.3V on Top: 21.6,19.9 21.58,25.39 20.78,25.39 20.8,20.8 19.9,20.8 19.9,19.9
+3.3V on Top: 23.79,43.8 23.79,44.8 21.49,44.8 21.49,45.6 19.67,45.6 19.67,43.8
+3.3V on Top: 14.2,33.1 14.2,31.4 12.3,31.4 12.3,32.2 13.4,32.2 13.4,33.1
+3.3V on Top: 11.32,53.69 11.33,51.41 12.01,50.17 12.94,50.15 12.94,51.29 12.2,51.3 12.21,53.7
+3.3V on Top: 21.41,51.69 25.6,51.7 25.6,50.6 21.41,50.59
+3.3V on Top: 7.6,47.69 7.6,46.79 9.3,46.79 9.3,48.49 6.6,48.49 6.6,47.69
+3.3V on In2.Cu: 61.86,-16.86 61.86,78.01 61.1,78.77 -18.41,78.77 -18.41,-17.87 -17.52,-18.76 59.95,-18.76
+3.3VA on Top: 17.63,31.49 17.63,29.6 16.2,29.61 16.2,30.3 13.4,30.3 13.4,31.2 16.2,31.2 17.12,31.49
+3.3VA on Top: 16.2,26.5 17.6,26.5 17.6,26.2 17,25.6 16.2,25.6
+3.3VA on Bottom: 17,30.4 17.6,30.4 17.6,25.5 17,25.5
GND on Top, Bottom, In1.Cu: 66.68,-23.59 66.68,84.49 65.92,85.25 -23.87,85.25 -25.77,83.34 -25.77,-23.84 -23.36,-26.26 64.02,-26.26
/Power/BBIN on Top: 38.74,44.2 39.7,44.2 39.7,41.8 38.04,41.8 38.04,40.76 36.24,40.76 36.24,43.36 34.04,43.36 34.04,44.46 35.3,44.7 38,44.7
/Power/BBOUT on Top: 32.19,44.3 32.19,43 31.32,42.97 31.32,40.07 30.02,40.07 29.99,42.7 26.69,42.7 26.69,44.6 29.69,44.6
/Power/FBIn on Top: 23.79,43.5 20.49,43.5 20.5,41.74 21.59,41.74 21.56,42.5 23.8,42.5
/Power/LX1 on Top: 34.81,47.83 33.31,47.83 33.31,46.33 34.81,46.33
/Power/LX1 on Top: 33.62,44.33 33.62,45.23 35.01,45.23 35.01,44.53
/Power/LX1 on Bottom: 33.31,44.34 33.31,47.84 35.01,47.84 35.01,44.54
/Power/LX2 on Top: 32.72,44.33 32.72,45.23 31.31,45.23 31.31,44.53
/Power/LX2 on Top: 31.51,47.83 33.12,47.83 33.12,46.33 31.51,46.33
/Power/LX2 on Bottom: 31.31,47.83 33.12,47.83 33.12,44.33 31.31,44.53
Net-(C8-Pad2) on Top: 12.07,48.88 12.07,49.69 8.47,49.69 8.47,48.68 10.8,48.68 11.06,48.88
Net-(IC1-SW_1) on Top: 32.67,27.34 35.17,27.34 35.17,26.34 37.87,26.34 37.87,21.84 32.67,21.84
Net-(IC1-VIN_1) on Top: 44.4,33.4 44.4,39.8 27.8,39.8 27.8,29.1 33.87,29.14 33.87,30.24 32.57,30.24 32.57,31.9 32,32.3 32,34.1 33.7,34.1 34.7,35.1 36.4,35.1 36.4,34.5 39.5,34.5 40.5,33.4

## Text on the board
B.Silkscreen: Designed by Rolando Charles / Electronics & Payload 2023 | CHEESE v1.0
F.Silkscreen: 3V3LED | CAM_1 | VBUSLED | CAM_3 | D- | VBUS | D+ | EN | POST / FLTR | PRE / FLTR | CAM_0 | BBOUT | BOOT | BBIN | CAM_2 | RBUS_uCV | BATTERY | 3V3 | RBUS
